# Altium PCB MU_MP_39_V1_ASMB.PcbDoc (part 1 of 15) (continued)
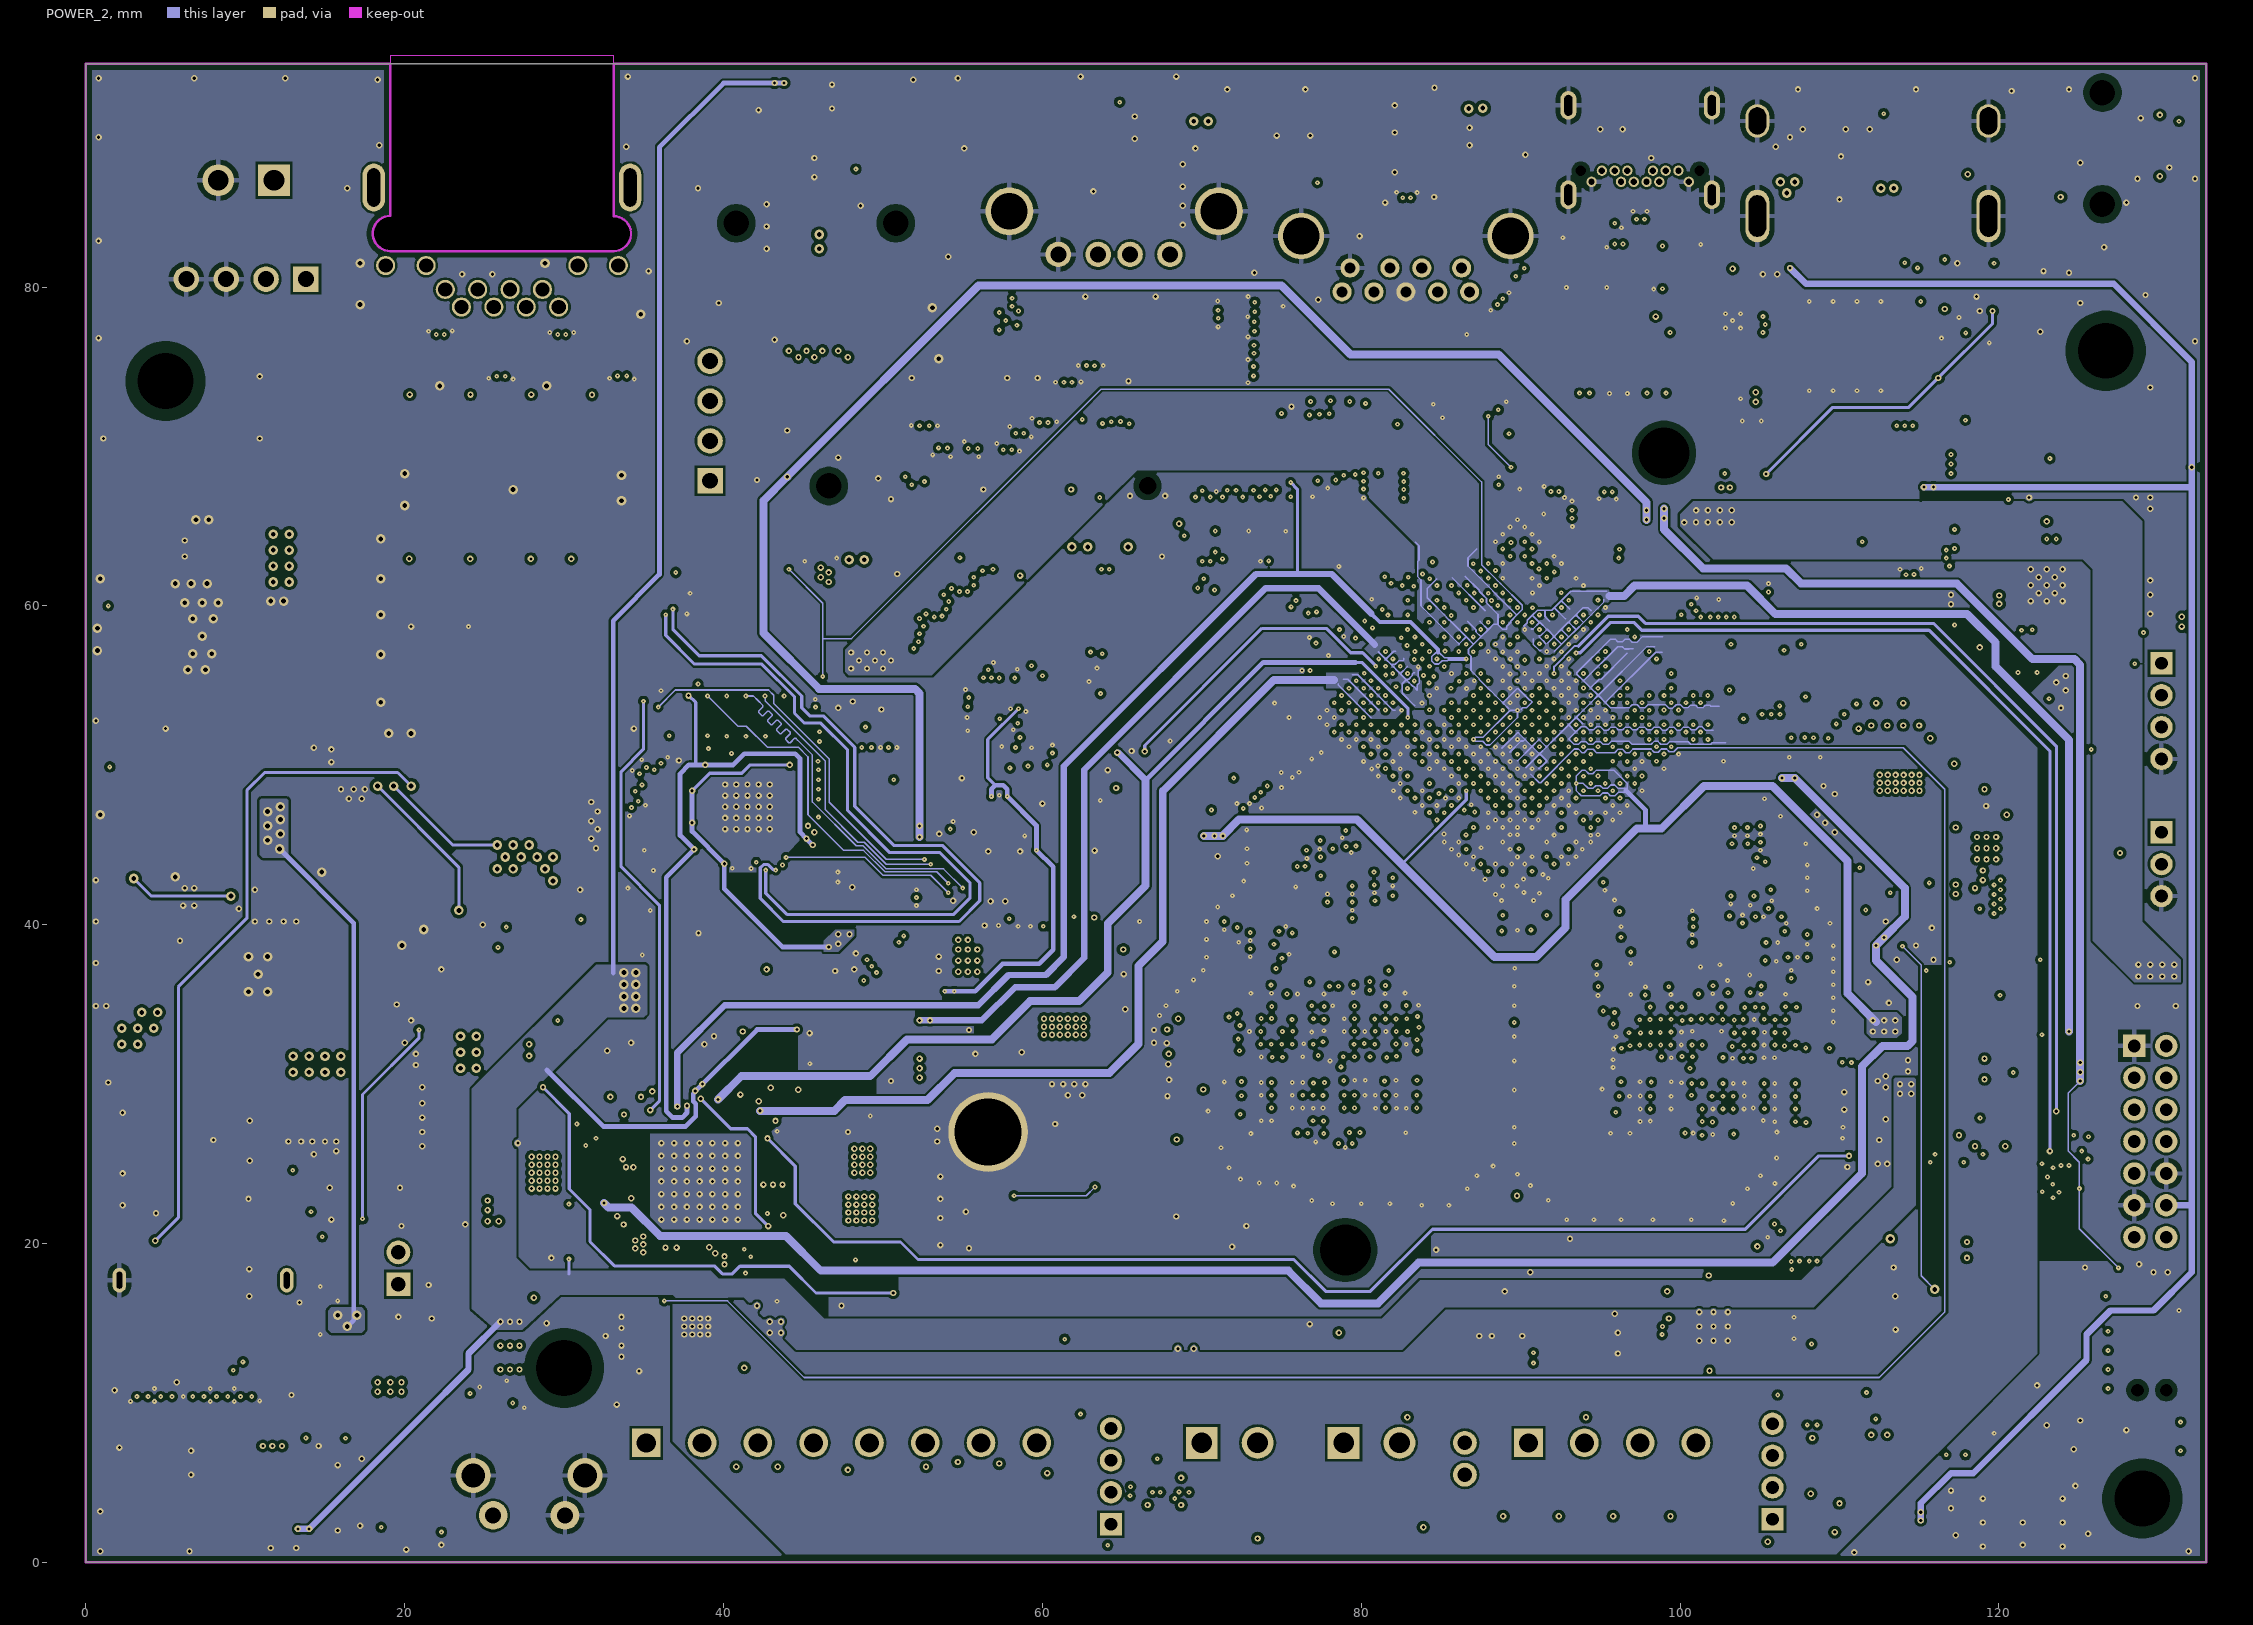
[diagram p4: POWER_2]
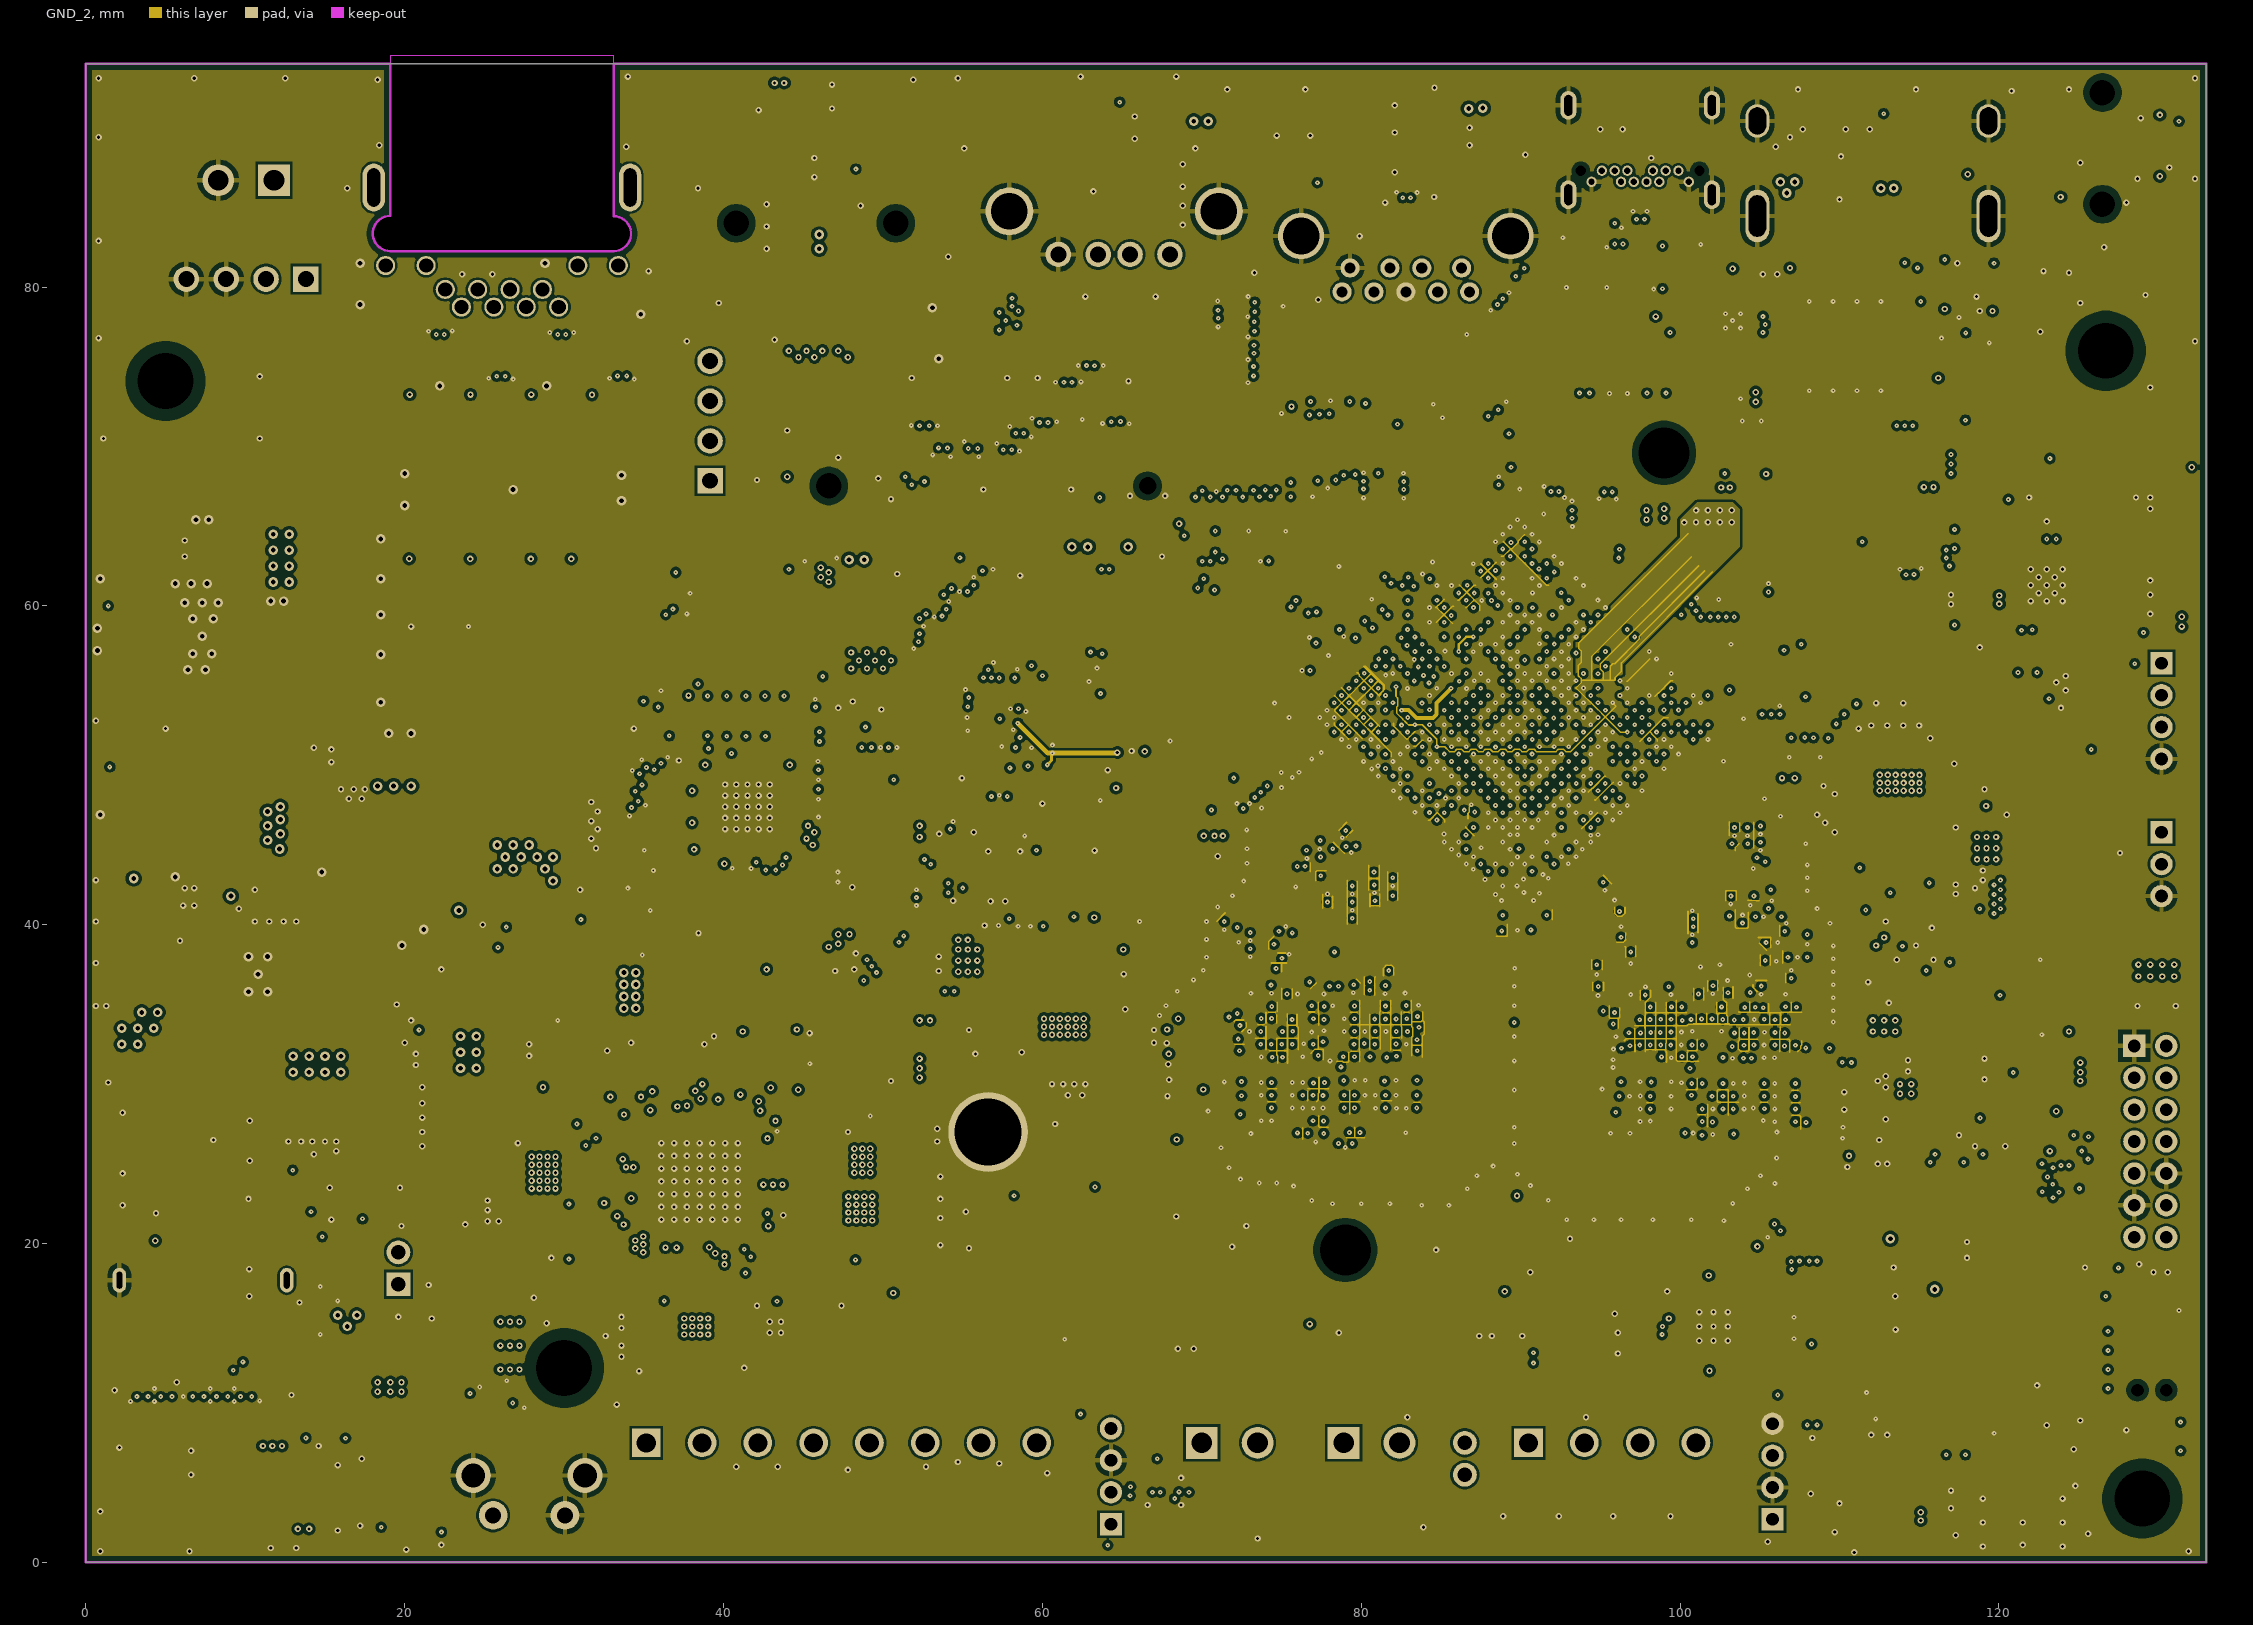
[diagram p5: GND_2]
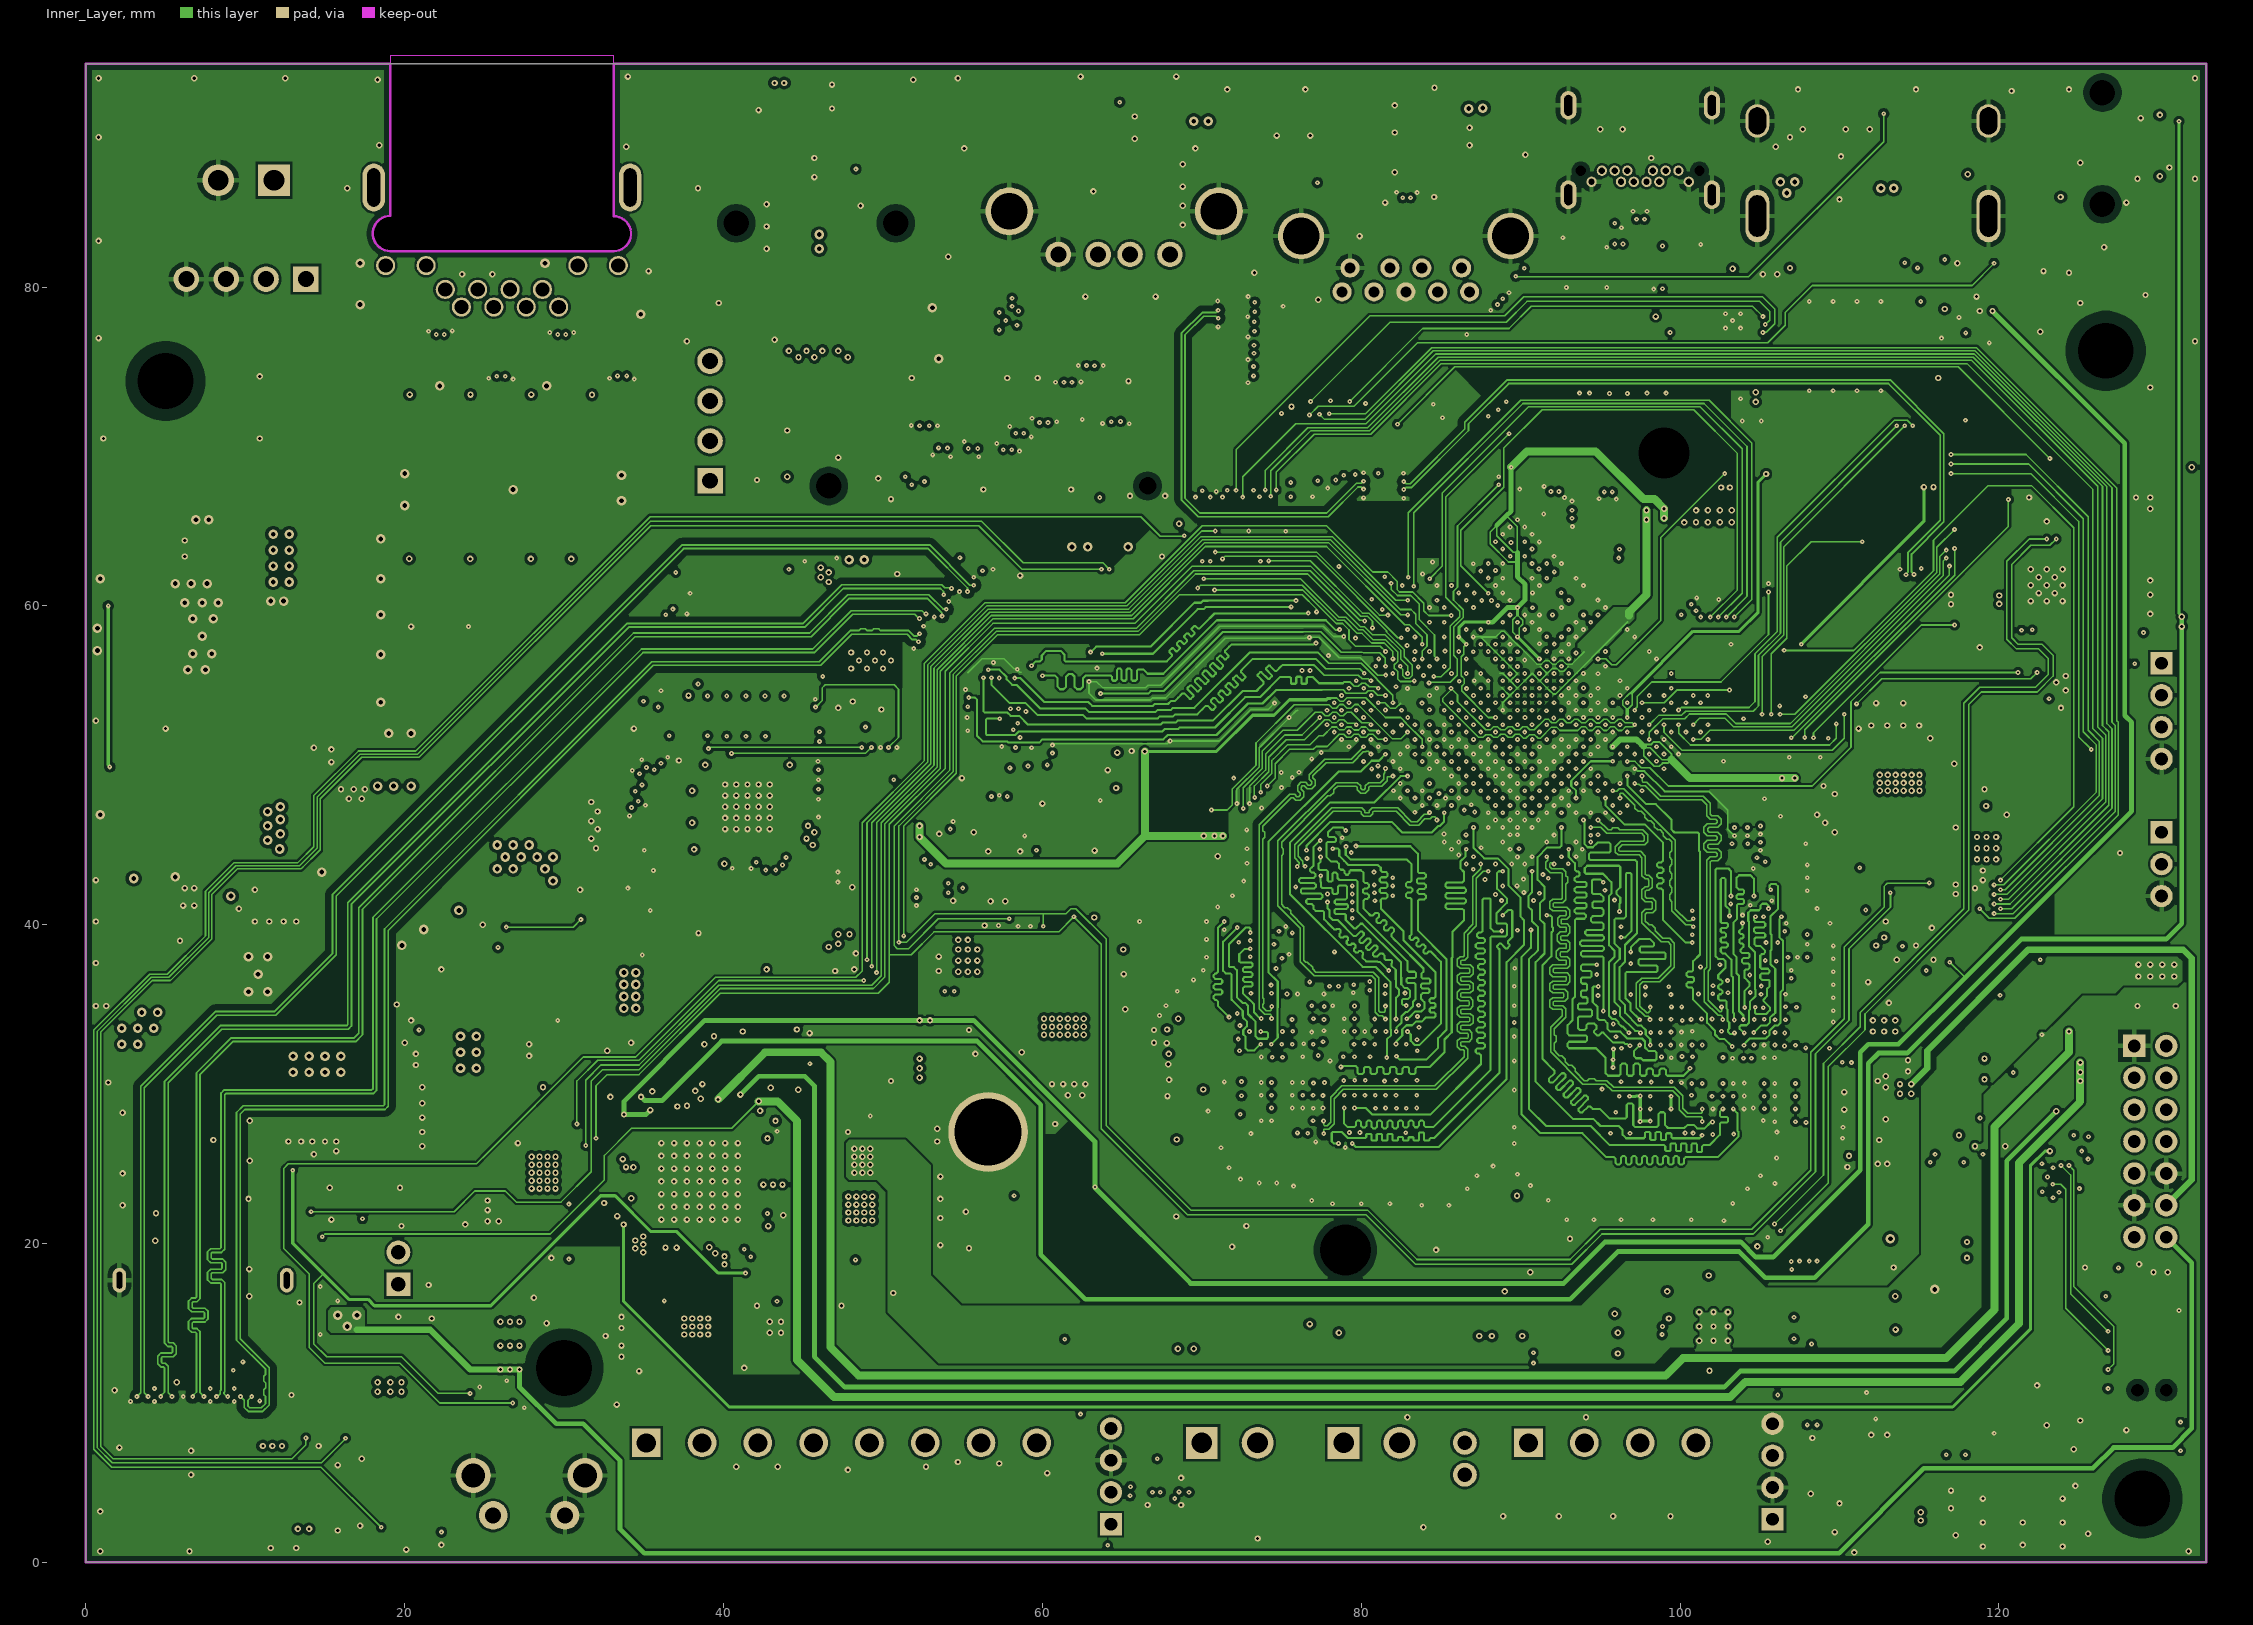
[diagram p6: Inner_Layer]